# Altium PCB Booster_Main_Board.PcbDoc (part 3 of 13) (continued)
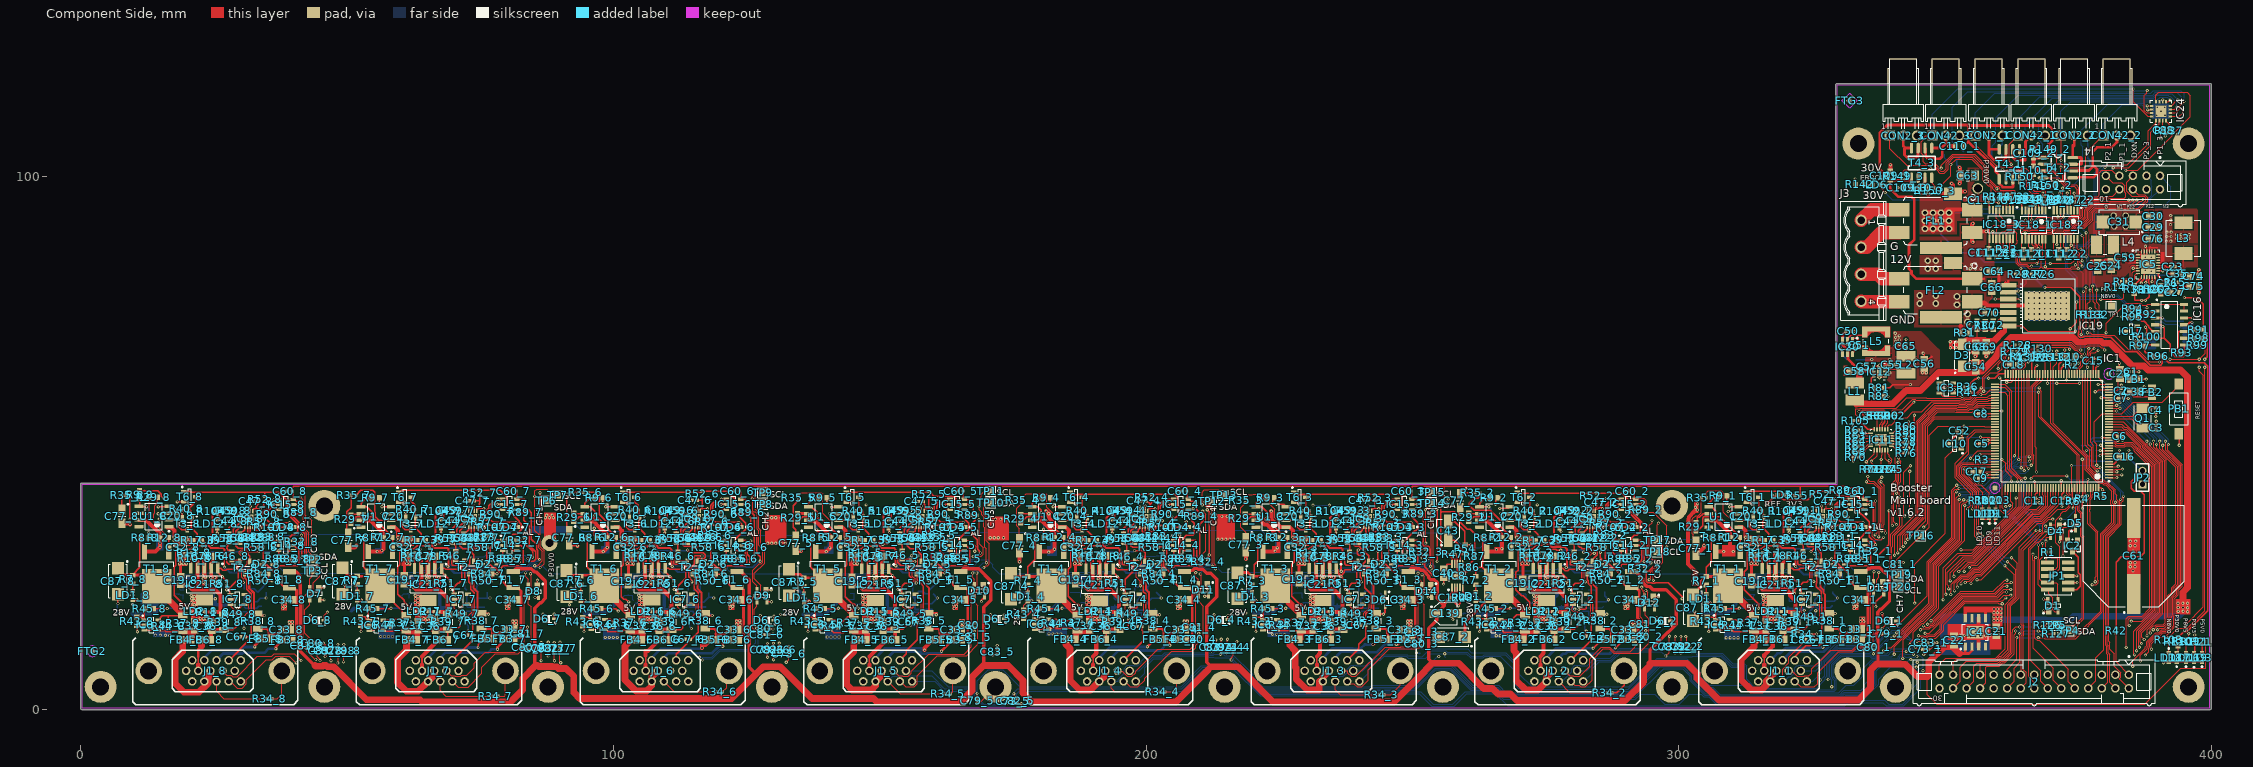
[diagram p0: Component Side view]
## Part data (continued)
C31: library part CTE7343-31_150UF_16V_10%_LESR0100, "Polarised capacitor", Case=D, Manufacturer=GENERIC, Manufacturer1 ComponentHeight=3.1mm, Manufacturer1 Example=AVX, Manufacturer1 Part Number=TPSD157K016R0100, Tolerance=±10%, Voltage=16V, Author="CERN DEM JLC", Component Type=Standard, CreateDate=05.05.2008, HelpURL=\\cern.ch\dfs\Applications\Altium\Datasheets\CTE-LESR_AVX_TPS.pdf, LatestRevisionDate=20.01.2009, Manufacturer Part Number=CTE7343-31_150UF_16V_10%_LESR0100, Mounted=Yes, Part Description="Low ESR 0R1 Solid Tantalum Chip Capacitor", Part Number=CTE7343-31_150UF_16V_10%_LESR0100, Pin Count=2, Sense=No, SMD=Yes, Socket=No, Status=Preferred
C32_1 C32_2 C32_3 C32_4 C32_5 C32_6 C32_7 C32_8: library part CC1206_4.7UF_50V_+80%-20%_Y5V, "Non-polarised capacitor", Case=1206, Manufacturer=GENERIC, Manufacturer1 ComponentHeight=1.8mm, Manufacturer1 Example=MURATA, Manufacturer1 Part Number=GRM31CF51H475ZA01L, Tolerance=+80%-20%, Voltage=50V, Author="CERN DEM JLC", Component Type=Standard, CreateDate=20.06.2012, HelpURL=\\cern.ch\dfs\Applications\Altium\Datasheets\CC1206_MURATA_GRM31CF51H475ZA01L.pdf, LatestRevisionDate=20.06.2012, Manufacturer Part Number=CC1206_4.7UF_50V_+80%-20%_Y5V, Mounted=Yes, Part Description="SMD Multilayer Chip Ceramic Capacitor", Part Number=CC1206_4.7UF_50V_+80%-20%_Y5V, Pin Count=2, Sense=No, SMD=Yes, Socket=No, Status=Preferred, TC=Y5V
C42_1 C42_2 C42_3 C42_4 C42_5 C42_6 C42_7 C42_8 C52: library part CC0402_1UF_16V_10%_X5R, "Non-polarised capacitor", Case=0402, Manufacturer=GENERIC, Manufacturer1 ComponentHeight=0.55mm, Manufacturer1 Example=TDK, Manufacturer1 Part Number=C1005X5R1C105KT, Tolerance=±10%, Voltage=16V, Author="CERN DEM JLC", Component Type=Standard, CreateDate=25.10.2012, HelpURL=\\cern.ch\dfs\Applications\Altium\Datasheets\CC0402_X5R_TDK_C.pdf, LatestRevisionDate=25.10.2012, Manufacturer Part Number=CC0402_1UF_16V_10%_X5R, Mounted=Yes, Part Description="SMD Multilayer Chip Ceramic Capacitor", Part Number=CC0402_1UF_16V_10%_X5R, Pin Count=2, Sense=No, SMD=Yes, Socket=No, Status=Preferred, TC=X5R
C43 C139: library part CAE430-540_10UF_16V_20%, "Polarised capacitor", Case=B, Manufacturer=PANASONIC, Manufacturer Part Number=EEEFK1C100AR, Tolerance=±20%, Voltage=16V, Author="CERN DEM JLC", ComponentHeight=5.8mm, Component Type=Standard, CreateDate=03.12.2007, HelpURL=\\cern.ch\dfs\Applications\Altium\Datasheets\CAE_PANASONIC_FK.pdf, LatestRevisionDate=05.11.2014, Mounted=Yes, Part Description="Aluminum Electrolytic SMT Capacitor", Part Number=CAE430-540_10UF_16V_20%, Pin Count=2, Sense=No, SMD=Yes, Socket=No, Status="Not Recommended"
C45_1 C45_2 C45_3 C45_4 C45_5 C45_6 C45_7 C45_8: library part CTE3528-21_47UF_6.3V_10%_LESR0250, "Polarised capacitor", Case=B, Manufacturer=GENERIC, Manufacturer1 ComponentHeight=2.1mm, Manufacturer1 Example=AVX, Manufacturer1 Part Number=TPSB476K006R0250, Tolerance=±10%, Voltage=6.3V, Author="CERN DEM JLC", Component Type=Standard, CreateDate=05.05.2008, HelpURL=\\cern.ch\dfs\Applications\Altium\Datasheets\CTE-LESR_AVX_TPS.pdf, LatestRevisionDate=20.01.2009, Manufacturer Part Number=CTE3528-21_47UF_6.3V_10%_LESR0250, Mounted=Yes, Part Description="Low ESR 0R25 Solid Tantalum Chip Capacitor", Part Number=CTE3528-21_47UF_6.3V_10%_LESR0250, Pin Count=2, Sense=No, SMD=Yes, Socket=No, Status=Preferred
C48_1 C48_2 C48_3 C48_4 C48_5 C48_6 C48_7 C48_8: library part CC0402_220PF_50V_5%_C0G, "Non-polarised capacitor", Case=0402, Manufacturer=GENERIC, Manufacturer1 ComponentHeight=0.55mm, Manufacturer1 Example=KEMET, Manufacturer1 Part Number=C0402C221J5GACTU, Tolerance=±5%, Voltage=50V, Author="CERN DEM JLC", Component Type=Standard, CreateDate=03.12.2007, HelpURL="\\cern.ch\dfs\Applications\Altium\Datasheets\CC0805_C0G_KEMET_(Commercial Grade).pdf", LatestRevisionDate=22.04.2015, Manufacturer Part Number=CC0402_220PF_50V_5%_C0G, Mounted=Yes, Part Description="SMD Multilayer Chip Ceramic Capacitor", Part Number=CC0402_220PF_50V_5%_C0G, Pin Count=2, Sense=No, SMD=Yes, Socket=No, Status=Preferred, TC=C0G/NP0
C51: library part CC0402_100NF_16V_10%_X5R, "Non-polarised capacitor", Case=0402, Manufacturer=GENERIC, Manufacturer1 ComponentHeight=0.55mm, Manufacturer1 Example=MURATA, Manufacturer1 Part Number=GRM155R61C104KA88D, Tolerance=±10%, Voltage=16V, Author="CERN DEM JLC", Component Type=Standard, CreateDate=10.12.2013, HelpURL=\\cern.ch\dfs\Applications\Altium\Datasheets\CC0402_X5R_MURATA_GRM.pdf, LatestRevisionDate=10.12.2013, Manufacturer Part Number=CC0402_100NF_16V_10%_X5R, Mounted=Yes, Part Description="SMD Multilayer Chip Ceramic Capacitor", Part Number=CC0402_100NF_16V_10%_X5R, Pin Count=2, Sense=No, SMD=Yes, Socket=No, Status=None, TC=X5R
C61: library part CAE1900-1680_4700UF_16V_20%, "Polarised capacitor", Case=K16, Manufacturer=PANASONIC, Manufacturer Part Number=EEVFK1C472M, Tolerance=±20%, Voltage=16V, Author="CERN DEM JLC", ComponentHeight=16.8mm, Component Type=Standard, CreateDate=05.11.2014, HelpURL=\\cern.ch\dfs\Applications\Altium\Datasheets\CAE_PANASONIC_FK.pdf, LatestRevisionDate=05.11.2014, Mounted=Yes, Part Description="Aluminum Electrolytic SMT Capacitor", Part Number=CAE1900-1680_4700UF_16V_20%, Pin Count=2, Sense=No, SMD=Yes, Socket=No, Status="Not Recommended"
C63: library part CC1206_10UF_50V_10%_X5R_TDK_CGA5L3X5R1H106K160AB, "Non-polarised capacitor", Case=1206, Manufacturer=TDK, Manufacturer Part Number=CGA5L3X5R1H106K160AB, Tolerance=±10%, Voltage=50V, Author="CERN DEM BC", ComponentHeight=1.9mm, Component Type=Standard, CreateDate=29.02.2016, HelpURL=\\cern.ch\dfs\Applications\Altium\Datasheets\CC1206_X5R_TDK_CGA.pdf, LatestRevisionDate=13.09.2016, Mounted=Yes, Part Description="SMD Multilayer Chip Ceramic Capacitor (Automotive Grade)", Part Number=CC1206_10UF_50V_10%_X5R_TDK_CGA5L3X5R1H106K160AB, Pin Count=2, Sense=No, SMD=Yes, Socket=No, Status="Not Recommended", TC=X5R
C67_1 C67_2 C67_3 C67_4 C67_5 C67_6 C67_7 C67_8 C80_1 C80_2 C80_3 C80_4 C80_5 C80_6 C80_7 C80_8 C81_1 C81_2 C81_3 C81_4 C81_5 C81_6 C81_7 C81_8 C82_1 C82_2 C82_3 C82_4 C82_5 C82_6 C82_7 C82_8 C83_1 C83_2 C83_3 C83_4 C83_5 C83_6 C83_7 C83_8: library part CC0402_NO-VALUE, "Non-polarised capacitor", Case=0402, Manufacturer1 ComponentHeight=0.55mm, Author="CERN DEM JLC", Component Type=Standard, CreateDate=14.01.2014, HelpURL=Undefined, LatestRevisionDate=14.01.2014, Manufacturer=Undefined, Manufacturer Part Number=CC0402_NO-VALUE, Mounted=No, Part Description="Reserved Footprint For 0402(1005) Chip Ceramic Capacitor", Part Number=CC0402_NO-VALUE, Pin Count=2, Sense=No, SMD=Yes, Socket=No, Status=None
C70 C71 C72 C86_1 C86_2 C86_3 C86_4 C86_5 C86_6 C86_7 C86_8: library part CC0603_10NF_50V_5%_C0G, "Non-polarised capacitor", Case=0603, Manufacturer=GENERIC, Manufacturer1 ComponentHeight=0.9mm, Manufacturer1 Example=TDK, Manufacturer1 Part Number=C1608C0G1H103J080AA, Tolerance=±5%, Voltage=50V, Author="CERN DEM JLC", Component Type=Standard, CreateDate=10.12.2014, HelpURL=\\cern.ch\dfs\Applications\Altium\Datasheets\CC0603_C0G_TDK_C.pdf, LatestRevisionDate=10.12.2014, Manufacturer Part Number=CC0603_10NF_50V_5%_C0G, Mounted=Yes, Part Description="SMD Multilayer Chip Ceramic Capacitor", Part Number=CC0603_10NF_50V_5%_C0G, Pin Count=2, Sense=No, SMD=Yes, Socket=No, Status=Preferred, TC=C0G/NP0
C77_1 C77_2 C77_3 C77_4 C77_5 C77_6 C77_7 C77_8: library part CTE3216-18_1UF_16V_10%, "Polarised capacitor", Case=A, Manufacturer=GENERIC, Manufacturer1 ComponentHeight=1.8mm, Manufacturer1 Example=AVX, Manufacturer1 Part Number=TAJA105K016RNJ, Tolerance=±10%, Voltage=16V, Author="CERN DEM JLC", Component Type=Standard, CreateDate=03.09.2012, HelpURL=\\cern.ch\dfs\Applications\Altium\Datasheets\CTE_AVX_TAJ.pdf, LatestRevisionDate=03.09.2012, Manufacturer Part Number=CTE3216-18_1UF_16V_10%, Mounted=Yes, Part Description="Solid Tantalum Chip Capacitor", Part Number=CTE3216-18_1UF_16V_10%, Pin Count=2, Sense=No, SMD=Yes, Socket=No, Status=Preferred
C87_1 C87_2 C87_3 C87_4 C87_5 C87_6 C87_7 C87_8: library part CTE6032-28_10UF_35V_10%, "Polarised capacitor", Case=C, Manufacturer=GENERIC, Manufacturer1 ComponentHeight=2.8mm, Manufacturer1 Example=AVX, Manufacturer1 Part Number=TAJC106K035R, Tolerance=±10%, Voltage=35V, Author="CERN DEM JLC", Component Type=Standard, CreateDate=03.12.2007, HelpURL=\\cern.ch\dfs\Applications\Altium\Datasheets\CTE_AVX_TAJ.pdf, LatestRevisionDate=03.12.2007, Manufacturer Part Number=CTE6032-28_10UF_35V_10%, Mounted=Yes, Part Description="Solid Tantalum Chip Capacitor", Part Number=CTE6032-28_10UF_35V_10%, Pin Count=2, Sense=No, SMD=Yes, Socket=No, Status=Preferred
C90_1 C90_2 C90_3 C90_4 C90_5 C90_6 C90_7 C90_8: library part CC0402_100PF_50V_5%_C0G, "Non-polarised capacitor", Case=0402, Manufacturer=GENERIC, Manufacturer1 ComponentHeight=0.55mm, Manufacturer1 Example=KEMET, Manufacturer1 Part Number=C0402C101J5GACTU, Tolerance=±5%, Voltage=50V, Author="CERN DEM JLC", Component Type=Standard, CreateDate=03.12.2007, HelpURL="\\cern.ch\dfs\Applications\Altium\Datasheets\CC0805_C0G_KEMET_(Commercial Grade).pdf", LatestRevisionDate=22.04.2015, Manufacturer Part Number=CC0402_100PF_50V_5%_C0G, Mounted=Yes, Part Description="SMD Multilayer Chip Ceramic Capacitor", Part Number=CC0402_100PF_50V_5%_C0G, Pin Count=2, Sense=No, SMD=Yes, Socket=No, Status=Preferred, TC=C0G/NP0
C109_1 C109_2 C109_3 C110_1 C110_2 C110_3: library part CC0603_1UF_16V_10%_X7R, "Non-polarised capacitor", Case=0603, Manufacturer=GENERIC, Manufacturer1 ComponentHeight=0.87mm, Manufacturer1 Example=PHYCOMP, Manufacturer1 Part Number=223824613663, Manufacturer Part Number=CC0603_1uF_16V_10%_X7R, Tolerance=±10%, Voltage=16V, Author="CERN DEM JLC", Component Type=Standard, CreateDate=12/3/2007, HelpURL=\\cern.ch\dfs\Applications\Altium\Datasheets\CC0805_X5R_PHYCOMP_HC.pdf, LatestRevisionDate=12/3/2007, Mounted=Yes, Part Description="SMD Multilayer Chip Ceramic Capacitor", Part Number=CC0603_1UF_16V_10%_X7R, Pin Count=2, SMD=Yes, Socket=No, Status=Preferred, Table="Capacitors SMD", TC=X7R
CON2_1 CON2_2 CON2_3 CON42_1 CON42_2 CON42_3: library part MOLEX_22-05-7038, "Connector 3 Male", Manufacturer=MOLEX, Manufacturer Part Number=22-05-7038, Author="CERN DEM JLC", ComponentHeight=5.8mm, Component Type=Standard, CreateDate=19/09/2012, Family=KK®, HelpURL=\\cern.ch\dfs\Applications\Altium\Datasheets\MOLEX_22-05-7038.pdf, LatestRevisionDate=19/09/2012, Mounted=Yes, Part Description="2.54mm (.100\") Pitch KK® Wire-To-Board Header, Right Angle, With Friction Lock, 3 Circuits", Part Number=MOLEX_22-05-7038, Pin Count=3, PressFit=No, Sense=No, SMD=No, Socket=No, Status=None
D1 D4 D7 D8 D9 D10 D11 D12 D13 D14: "Ultra Low Capacitance Double Rail-to-Rail ESD Protection Diode", Case=SOT143B, Manufacturer="NXP SEMICONDUCTORS", Voltage=5.5V, Author="CERN DEM JLC", Bonding=No, ComponentHeight=1.1mm, Component Type=Standard, CreateDate=22.03.2011, Device=PRTR5V0U2X, HelpURL=\\cern.ch\dfs\Applications\Altium\Datasheets\PRTR5V0U2X.pdf, LatestRevisionDate=22.03.2011, Manufacturer Part Number=PRTR5V0U2X, Mounted=Yes, PackageDescription="SOT143B, SOT, 1.90mm Pitch; 4 Pin, 1.30mm W X 2.90mm L X 1.10mm H body, IPC Medium Density", Part Description="Ultra Low Capacitance (1pF) Double Rail-to-Rail ESD Protection Diode (8kV)", Part Number=PRTR5V0U2X, Pin Count=4, PressFit=No, Sense=No, SMD=Yes, Socket=No
D2_1 D2_2 D2_3 D2_4 D2_5 D2_6 D2_7 D2_8 D5 D6_1 D6_2 D6_3 D6_4 D6_5 D6_6 D6_7 D6_8 D15: "Schottky Diode", Case=SOD323, Manufacturer=INFINEON, Power=750mA, Voltage=40V, Author="CERN DEM JLC", Bonding=No, ComponentHeight=1.1mm, Component Type=Standard, CreateDate=12.11.2014, Device=BAT165, HelpURL=\\cern.ch\dfs\Applications\Altium\Datasheets\BAT165.pdf, LatestRevisionDate=12.11.2014, Manufacturer Part Number=BAT165, Mounted=Yes, PackageDescription="Small Outline Diode Flat Lead (SOD-323), 1.70mm W X 1.25mm L X 1.10mm H body,  IPC Medium Density", Part Description="Medium Power AF Schottky Diode", Part Number=BAT165, Pin Count=2, PressFit=No, Sense=No, SMD=Yes, Socket=No
D3: "Schottky Diode", Case=DO-214AC, Manufacturer="VISHAY GENERAL SEMICONDUCTOR", Power=1A, Voltage=60V, Author="CERN DEM JLC", Bonding=No, ComponentHeight=2.29mm, Component Type=Standard, CreateDate=15.07.2008, Device=SS16, HelpURL=\\cern.ch\dfs\Applications\Altium\Datasheets\SS16.pdf, LatestRevisionDate=23.08.2010, Manufacturer Part Number=SS16, Mounted=Yes, PackageDescription="DO-214-AC Molded Diode, Body 5.1x2.7mm, IPC Medium Density", Part Description="Surface Mount Schottky Barrier Rectifier", Part Number=SS16, Pin Count=2, PressFit=No, Sense=No, SMD=Yes, Socket=No
F1_1 F1_2 F1_3 F1_4 F1_5 F1_6 F1_7 F1_8: library part FUSR1210_TYCO_MICROSMD035F-2, "Fuse", Manufacturer="TYCO ELECTRONICS", Manufacturer Part Number=microSMD035F-2, Author="CERN DEM JLC", ComponentHeight=0.62mm, Component Type=Standard, CreateDate=11.06.2012, Family="Fuses Resettable", HelpURL=\\cern.ch\dfs\Applications\Altium\Datasheets\FUSR_TYCO_microSMD035F-2.pdf, LatestRevisionDate=11.06.2012, Mounted=Yes, PackageDescription="PolySwitch, PTC Devices, 2-Leads, Body 3.215 x 2.575mm Nominal", Part Description="PolySwitch®, PTC Resettable Fuse", Part Number=FUSR1210_TYCO_MICROSMD035F-2, Pin Count=2, PressFit=No, Sense=No, SMD=Yes, Socket=No
FB1 FB2 FB3_1 FB3_2 FB3_3 FB3_4 FB3_5 FB3_6 FB3_7 FB3_8 FB4_1 FB4_2 FB4_3 FB4_4 FB4_5 FB4_6 FB4_7 FB4_8 FB5_1 FB5_2 FB5_3 FB5_4 FB5_5 FB5_6 FB5_7 FB5_8 FB6_1 FB6_2 FB6_3 FB6_4 FB6_5 FB6_6 FB6_7 FB6_8: library part IND0805_MURATA_BLM21PG221SN1D, "Inductor", Case=0805, Manufacturer=MURATA, Manufacturer Part Number=BLM21PG221SN1D, Power=2A, Resistance=0.05R, Tolerance=±25%, Author="CERN DEM JLC", ComponentHeight=1.05mm, Component Type=Standard, CreateDate=2010-01-25, HelpURL=\\cern.ch\dfs\Applications\Altium\Datasheets\IND0402_MURATA_BLM21P.pdf, LatestRevisionDate=2010-01-25, Mounted=Yes, Part Description="SMD EMIFIL Suppression Chip Ferrite Bead", Part Number=IND0805_MURATA_BLM21PG221SN1D, Pin Count=2, SMD=Yes, Socket=No, Status=None, Table="Inductors SMD"
FL1 FL2: library part FIL_MURATA_BNX022-01L, "Block Type EMIFIL (LC Combined)", Manufacturer=MURATA, Manufacturer Part Number=BNX022-01L, Resistance=0.5R, Author="CERN DEM JLC", ComponentHeight=3.3mm, Component Type=Standard, CreateDate=10.10.2012, HelpURL=\\cern.ch\dfs\Applications\Altium\Datasheets\FIL_MURATA_BNX022-01L.pdf, LatestRevisionDate=10.10.2012, Mounted=Yes, Part Description="Block Type EMIFIL (LC Combined) SMD Type, BNX02* Series", Part Number=FIL_MURATA_BNX022-01L, Pin Count=2, Sense=No, SMD=Yes, Socket=No, Status=None
FTG1 FTG2: library part FIDUCIAL_TARGET_C100-200, "Fiducial Target", Author="CERN DEM JLC", Component Type="Standard (No BOM)", ComponentHeight=0mm, CreateDate=09.02.2010, Family=Fiducial, HelpURL=Undefined, LatestRevisionDate=04.04.2012, Mounted=No, PackageDescription="Round Fiducial Target, Top Layer, 1.0mm, Top Solder 2.0mm, Keepout =2.0mm", Part Description="Round Fiducial Target, Top Layer, 1.0mm, Top Solder 2.0mm, Keepout =2.0mm", Part Number=FIDUCIAL_TARGET_C100-200, Pin Count=1, Sense=No, SMD=Yes, Socket=No, Status=None
FTG3 FTG4: library part FIDUCIAL_TARGET_S100-200, "Fiducial Target", Author="CERN DEM JLC", Component Type="Standard (No BOM)", ComponentHeight=0mm, CreateDate=09.02.2010, Family=Fiducial, HelpURL=Undefined, LatestRevisionDate=04.04.2012, Mounted=No, PackageDescription="Square Fiducial Target, Top Layer, 1.0mm, Top Solder 2.0mm, Keepout =2.0mm", Part Description="Square Fiducial Target, Top Layer, 1.0mm, Top Solder 2.0mm, Keepout =2.0mm", Part Number=FIDUCIAL_TARGET_S100-200, Pin Count=1, Sense=No, SMD=Yes, Socket=No, Status=None
IC1: "ARM Cortex-M4 32-bit MCU+FPU, 210 DMIPS, 1024 kB Flash, 192 kB Internal RAM, 114 I/Os, 144-pin LQFP, -40 to 85 degC, Tray", Case=QFP144, Manufacturer="ST MICROELECTRONICS", Author="CERN DEM MR", Bonding=No, ComponentHeight=1.6mm, Component Type=Standard, CreateDate=14.07.2016, Device=STM32F407ZGT6, HelpURL=\\cern.ch\dfs\Applications\Altium\Datasheets\STM32F407ZGT6.pdf, LatestRevisionDate=14.07.2016, Manufacturer Part Number=STM32F407ZGT6, Mounted=Yes, PackageDescription="QFP, 0.50mm Pitch, Square; 144 Pin, 20.00mm L X 20.00mm W X 1.60mm H Body, IPC Medium Density", Part Description="ARM Cortex-M4 32b MCU+FPU, 210DMIP, 1024 kB Flash, 192+4 kB RAM, Camera, 114 I/Os, 144-pin LQFP, Industrial Grade", Part Number=STM32F407ZGT6, Pin Count=144, PressFit=No, Sense=No, SMD=Yes, Socket=No
IC2: library part VMON_STM809, "2.93V  Reset circuit", Manufacturer Part Number=STM809SWX6F
IC3: "1.7V-5.5V, 2K I2C Serial EEPROM With EUI-48 Node Identity", Case=SOT23-5, Manufacturer="MICROCHIP TECHNOLOGY", Author="CERN DEM MR", Bonding=No, ComponentHeight=1.45mm, Component Type=Standard, CreateDate=2016-03-31, Device=24AA02E48T-I/OT, HelpURL=\\cern.ch\dfs\Applications\Altium\Datasheets\24AA02E48T-I-OT.pdf, LatestRevisionDate=2016-03-31, Manufacturer Part Number=24AA02E48T-I/OT, Mounted=Yes, PackageDescription="SOT, 0.95mm pitch; 5 pin, 1.60mm W X 2.90mm L X 1.45mm H body, IPC Medium Density", Part Description="1.7V-5.5V, 2K I2C Serial EEPROM With EUI-48 Node Identity", Part Number=24AA02E48T-I/OT, Pin Count=5, PressFit=No, Sense=No, SMD=Yes, Socket=No
IC4: "300 mA, Low Noise, CMOS LDO Linear Regulator", Case=SOIC8, Manufacturer="ANALOG DEVICES", Author="CERN DEM JLC", Bonding=No, ComponentHeight=1.75mm, Component Type=Standard, CreateDate=17.03.2014, Device=ADP7102ARDZ-5.0-R7, HelpURL=\\cern.ch\dfs\Applications\Altium\Datasheets\ADP7102ARDZ-5.0-R7.pdf, LatestRevisionDate=17.03.2014, Manufacturer Part Number=ADP7102ARDZ-5.0-R7, Mounted=Yes, PackageDescription="SOIC 8, Pitch 1.27mm - Body 3.9x4.9mm, (w/thermal tab 2.41mm X 3.098mm), IPC Medium Density", Part Description="5V, 300mA, Low Noise, CMOS LDO Linear Regulator", Part Number=ADP7102ARDZ-5.0-R7, Pin Count=8, PressFit=No, Sense=No, SMD=Yes, Socket=No
IC5: "LTC7149 - 60V, 4A Synchronous Step-Down Regulator for Inverting Outputs", Manufacturer="Linear technology", Manufacturer Part Number=LTC7149EUFD#PBF
IC6_1 IC6_2 IC6_3 IC6_4 IC6_5 IC6_6 IC6_7 IC6_8 IC7_1 IC7_2 IC7_3 IC7_4 IC7_5 IC7_6 IC7_7 IC7_8: library part AMP_LT6106, "Current Shunt Monitor -16V to +80V Common-Mode Range", Case=SOT23-5, Manufacturer="ANALOG DEVICES", Author=GK, Bonding=No, ComponentHeight=1.45mm, Component Type=Standard, CreateDate=10.05.2010, Device=LT6106CS5#TRMPBF, HelpURL=\\cern.ch\dfs\Applications\Altium\Datasheets\INA194AIDBVT.pdf, LatestRevisionDate=10.05.2010, Manufacturer Part Number=LT6106CS5#TRMPBF, Mounted=Yes, PackageDescription="SOT, 0.95mm pitch; 5 pin, 1.60mm W X 2.90mm L X 1.45mm H body, IPC Medium Density", Part Description="36V Low Cost High Side Current Sense in a SOT-23", Part Number=LT6106CS5#TRMPBF, Pin Count=5, PressFit=No, Sense=No, SMD=Yes, Socket=No
IC8: "20V, 200mA, Ultralow Noise, Ultrahigh PSRR RF Linear Regulator", Case=MSOP10, Manufacturer="LINEAR TECHNOLOGY", Author="CERN DEM MR", Bonding=No, ComponentHeight=1.1mm, Component Type=Standard, CreateDate=09.06.2016, Device=LT3042EMSE#PBF, HelpURL=\\cern.ch\dfs\Applications\Altium\Datasheets\LT3042EMSE#PBF.pdf, LatestRevisionDate=09.06.2016, Manufacturer Part Number=LT3042EMSE#PBF, Mounted=Yes, PackageDescription="SOP, 0.50mm, Pitch; 10 pin, 3.00mm W X 3.00mm L X 1.10mm H body (w/thermal tab  1.68 X 1.98 mm), IPC Medium Density", Part Description="20V, 200mA, Ultralow Noise, Ultrahigh PSRR RF Linear Regulator", Part Number=LT3042EMSE#PBF, Pin Count=11, PressFit=No, Sense=No, SMD=Yes, Socket=No
IC9_1 IC9_2 IC9_3 IC9_4 IC9_5 IC9_6 IC9_7 IC9_8: library part CMP-0003-02162-1, "12-Bit, 4-Channel Mux Input SAR ADC with Intelligent System Power Control, -40 to 85 degC, 16-pin QFN (RTE16), Green (RoHS & no Sb/Br)", Analog Voltage AV/DD(Max)(V)=5.5, Analog Voltage AV/DD(Min)(V)=2.2, Manufacturer="Texas Instruments", # Input Channels=4, Architecture=SAR, Code_JEDEC=MO-220, ComponentLink1Description="Manufacturer URL", ComponentLink1URL=http://www.ti.com/, ComponentLink2Description=Datasheet, ComponentLink2URL=http://www.ti.com/general/docs/lit/getliterature.tsp?genericPartNumber=ADS7924&fileType=pdf, ComponentLink3Description="Package Specification", ComponentLink3URL=http://www.ti.com/litv/pdf/mpqf149c, DatasheetVersion=SBAS482A, Digital Supply(Max)(V)=5.5, Digital Supply(Min)(V)=1.65, Eco-Plan="Green (RoHS & no Sb/Br)", INL(Max)(+/-LSB)=1.5, Interface="Serial I2C", Manufacturer Part Number=ADS7924IRTET, Mounting Technology="Surface Mount", PackageDescription="16-Pin Plastic Flat Pack, Body 3 x 3 mm, Pitch 0.5 mm", PackageReference=RTE16-1700X1700TP, PackageVersion="4205254/D, 01/2011", PartNumber=ADS7924IRTET, Resolution(Bits)=12, Sample Rate (max)(SPS)=100k, SubFamily="Precision ADC (<=10MSPS)"
IC10: library part REF_MCP1525, "2.5 voltage reference", Manufacturer Part Number=MCP1525T-I/TT
IC11: "Low Voltage 8-Channel I2C Switch With Reset", Case=QFN24, Manufacturer="TEXAS INSTRUMENTS", Author="CERN DEM JLC", Bonding=No, ComponentHeight=1mm, Component Type=Standard, CreateDate=07.07.2014, Device=TCA9548ARGER, HelpURL=\\cern.ch\dfs\Applications\Altium\Datasheets\TCA9548ARGER.pdf, LatestRevisionDate=07.07.2014, Manufacturer Part Number=TCA9548ARGER, Mounted=Yes, PackageDescription="QFN, 0.50mm Pitch, Square; 24 Pin, 4.00mm L X 4.00mm W X 1.00mm H body (w/thermal tab 2.2 X 2.2mm), IPC Medium Density", Part Description="Low Voltage 8-Channel I2C Switch With Reset", Part Number=TCA9548ARGER, Pin Count=25, PressFit=No, Sense=No, SMD=Yes, Socket=No
IC12: "4.75-28VDC to 1-6VDC, 500mA Step-Down Converter With Sleep Mode", Case=SON10, Manufacturer="TEXAS INSTRUMENTS", Author="CERN DEM JMW", Bonding=No, ComponentHeight=0.8mm, Component Type=Standard, CreateDate=11.08.2015, Device=TPS62175DQC, HelpURL=\\cern.ch\dfs\Applications\Altium\Datasheets\TPS62175DQC.pdf, LatestRevisionDate=11.08.2015, Manufacturer Part Number=TPS62175DQC, Mounted=Yes, PackageDescription="SON, 10-Leads, Body 2x3mm, Pitch 0.5mm, Thermal Pad 0.94x2.5mm, IPC Medium Density", Part Description="4.75-28VDC to 1-6VDC, 500mA Step-Down Converter With Sleep Mode", Part Number=TPS62175DQC, Pin Count=11, PressFit=No, Sense=No, SMD=Yes, Socket=No
IC13_1 IC13_2 IC13_3 IC13_4 IC13_5 IC13_6 IC13_7 IC13_8: library part REG_LP3872EMP-5.0/NOPB, "1.5-A, low-dropout voltage regulator with  enable", Case=SOT223, Manufacturer="TEXAS INSTRUMENTS", Author=GK, Bonding=No, Component Type=Standard, ComponentHeight=1.8mm, CreateDate=01.06.2010, Device=LP3872EMP-5.0/NOPB, HelpURL=\\cern.ch\dfs\Applications\Altium\Datasheets\LP3961EMP.pdf, LatestRevisionDate=29.01.2021, Manufacturer Part Number=LP3872EMP-5.0/NOPB, Mounted=Yes, PackageDescription="SOT223, 1.50mm Pitch; 5 Pin, 3.56mm W X 6.50mm L X 1.80mm H body, IPC Medium Density", Part Description="5V, 1.5A Fast Low Dropout Linear Regulators", Part Number=LP3872EMP-5.0/NOPB, Pin Count=5, PressFit=No, Sense=No, SMD=Yes, Socket=No
IC14_1 IC14_2 IC14_3 IC14_4 IC14_5 IC14_6 IC14_7 IC14_8: "Simple Power Sequencer", Case=SOT23-6, Manufacturer="TEXAS INSTRUMENTS", Author="CERN DEM MR", Bonding=No, ComponentHeight=1.45mm, Component Type=Standard, CreateDate=17.03.2016, Device=LM3880-1AC/NOPB, HelpURL=\\cern.ch\dfs\Applications\Altium\Datasheets\LM3880-1AC-NOPB.pdf, LatestRevisionDate=17.03.2016, Manufacturer Part Number=LM3880-1AC/NOPB, Mounted=Yes, PackageDescription="SOT23, 6-Leads, Body 1.6x3.0mm, Pitch 0.95mm, IPC Medium Density", Part Description="Simple Power Sequencer, Power UP : 1 2 3, Power Down 3 2 1, Timing Designator 60ms", Part Number=LM3880-1AC/NOPB, Pin Count=6, PressFit=No, Sense=No, SMD=Yes, Socket=No
IC15_1 IC15_2 IC15_3 IC15_4 IC15_5 IC15_6 IC15_7 IC15_8: "+2.7 V to +5.5 V, I2C Interface (Receive Only), Voltage Output, 12-Bit Digital-To-Analog Converter", Case=SOT23-6, Manufacturer="TEXAS INSTRUMENTS", Author="CERN DEM MR", Bonding=No, ComponentHeight=1.45mm, Component Type=Standard, CreateDate=07.07.2016, Device=DAC7571DBV, HelpURL=\\cern.ch\dfs\Applications\Altium\Datasheets\DAC7571DBV.pdf, LatestRevisionDate=07.07.2016, Manufacturer Part Number=DAC7571DBV, Mounted=Yes, PackageDescription="SOT23, 6-Leads, Body 1.6x3.0mm, Pitch 0.95mm, IPC Medium Density", Part Description="+2.7 V to +5.5 V, I2C Interface (Receive Only), Voltage Output, 12-Bit Digital-To-Analog Converter", Part Number=DAC7571DBV, Pin Count=6, PressFit=No, Sense=No, SMD=Yes, Socket=No
IC16 IC25: "Quad Operational Amplifier", Case=SOIC14, Manufacturer="TEXAS INSTRUMENTS", Author="CERN DEM MR", Bonding=No, ComponentHeight=1.75mm, Component Type=Standard, CreateDate=23.03.2016, Device=LP339M/NOPB, HelpURL=\\cern.ch\dfs\Applications\Altium\Datasheets\LP339M-NOPB.pdf, LatestRevisionDate=23.03.2016, Manufacturer Part Number=LP339M/NOPB, Mounted=Yes, PackageDescription="SOIC 14, Pitch 1.27mm - Body 4x8.75mm, IPC Medium Density", Part Description="Ultra-Low Power Quad Comparator", Part Number=LP339M/NOPB, Pin Count=14, PressFit=No, Sense=No, SMD=Yes, Socket=No
IC17: "Precision Reference 1=Adj 2=Cathode 3=Anode", Case=SOT23, Manufacturer="ST MICROELECTRONICS", Author="CERN DEM JLC", Bonding=No, ComponentHeight=1.12mm, Component Type=Standard, CreateDate=17.11.2016, Device=TS3431ILT, HelpURL=\\cern.ch\dfs\Applications\Altium\Datasheets\TS3431ILT.pdf, LatestRevisionDate=17.11.2016, Manufacturer Part Number=TS3431ILT, Mounted=Yes, PackageDescription="SOT, 0.95mm, pitch; 3 pin,1.30mm W X 2.92mm L X 1.12mm H body, IPC Medium Density", Part Description="1.24 V Programmable Shunt Voltage Reference", Part Number=TS3431ILT, Pin Count=3, PressFit=No, Sense=No, SMD=Yes, Socket=No
IC18_1 IC18_2 IC18_3: "2-Channel Temperature Monitor with Dual, Automatic, PWM Fan-Speed Controller", Case=SSOP16, Manufacturer=MAXIM, Author="CERN DEM JLC", ComponentHeight=1.75mm, Component Type=Standard, CreateDate=2012-08-15, Device=MAX6639AEE+, HelpURL=\\cern.ch\dfs\Applications\Altium\Datasheets\MAX6639AEE+.pdf, LatestRevisionDate=2012-08-15, Manufacturer Part Number=MAX6639AEE+, Mounted=Yes, PackageDescription="SOP, 0.635mm pitch; 16 pin, 3.9mm W X 4.895mm L X 1.75mm H Body, IPC Medium Density", Part Description="2-Channel Temperature Monitor with Dual, Automatic, PWM Fan-Speed Controller", Part Number=MAX6639AEE+, Pin Count=16, SMD=Yes, Socket=No, Table="Analog & Interface"
IC19: library part PM_LMZ14203, "3A SIMPLE SWITCHER® Power Module with 42V Maximum Input Voltage", Case=TO-PMOD-7, Manufacturer="TEXAS INSTRUMENTS", Author=GK, Bonding=No, ComponentHeight=4.67mm, Component Type=Standard, CreateDate=17.11.2016, Device=LMZ14203HTZX/NOPB, HelpURL=\\cern.ch\dfs\Applications\Altium\Datasheets\LMZ14201EXTTZE-NOPB.pdf, LatestRevisionDate=17.11.2016, Manufacturer Part Number=LMZ14203HTZX/NOPB, Mounted=Yes, PackageDescription="TO-PMOD 7 Pin Package, NATIONAL Package TZA07A, 1.70mm pitch; 9.85mm L X 10.16mm W X 4.67mm H body", Part Description="3A SIMPLE SWITCHER® Power Module with 42V Maximum Input Voltage", Part Number=LMZ14203HTZX/NOPB, Pin Count=8, PressFit=No, Sense=No, SMD=Yes, Socket=No
IC20: "4.2V TO 18V INPUT, 2A LOW IQ SYNCHRONOUS BUCK CONVERTER", Case=SOT23-6, Manufacturer="DIODES INCORPORATED", Author="CERN DEM HF", Bonding=No, Component Type=Standard, ComponentHeight=1.1mm, CreateDate=07.01.2022, Device=AP62201WU-7, HelpURL=\\cern.ch\dfs\Applications\Altium\Datasheets\AP6220x.pdf, LatestRevisionDate=07.01.2022, Manufacturer Part Number=AP62201WU-7, Mounted=Yes, PackageDescription="SOT23, 0.95mm Pitch; 6 Pin, 1.625mm W X 2.90mm L X 1.00mm H body, IPC Medium Density", Part Description="4.2V TO 18V INPUT, 2A LOW IQ SYNCHRONOUS BUCK CONVERTER", Part Number=AP62201WU-7, Pin Count=6, PressFit=No, Sense=No, SMD=Yes, Socket=No
IC21_1 IC21_2 IC21_3 IC21_4 IC21_5 IC21_6 IC21_7 IC21_8: "1.2V to 20V, 1.5A, Fast Transient Response, Low Noise, LDO Adjustable Regulator", Case=SOT223, Manufacturer="TEXAS INSTRUMENTS", Author="CERN DEM JLC", Bonding=No, ComponentHeight=1.8mm, Component Type=Standard, CreateDate=08.07.2014, Device=TL1963ADCQR, HelpURL=\\cern.ch\dfs\Applications\Altium\Datasheets\TL1963ADCQR.pdf, LatestRevisionDate=08.07.2014, Manufacturer Part Number=TL1963ADCQR, Mounted=Yes, PackageDescription="SOT223, 6-Leads, Body 6.6x7.3mm (max), Pitch 1.27mm, IPC Medium Density", Part Description="1.2V to 20V, 1.5A, Fast Transient Response, Low Noise, LDO Adjustable Regulator", Part Number=TL1963ADCQR, Pin Count=6, PressFit=No, Sense=No, SMD=Yes, Socket=No
IC22_1 IC22_2 IC22_3 IC22_4 IC22_5 IC22_6 IC22_7 IC22_8: library part AD8603AUJZ-REEL, "Precision Micropower, Low Noise CMOS, Rail-to-Rail Input/Output Operational Amplifier", Case=SOT23-5, Manufacturer="ANALOG DEVICES / Texas", Manufacturer Part Number="AD8603AUJZ-REEL  or TLV333IDBVT", Author=GK, Bonding=No, Component Type=Standard, ComponentHeight=1mm, CreateDate=02/09/2010, Device="AD8603AUJZ-REEL or TLV333IDBVT", HelpURL=\\cern.ch\dfs\Applications\Altium\Datasheets\AD8603AUJZ-REEL.pdf, LatestRevisionDate=02/09/2010, Mounted=Yes, PackageDescription="SOT23, 0.95mm Pitch; 5 Pin, 1.625mm W X 2.9mm L, IPC Medium", Part Description="Precision Micropower, Low Noise CMOS, Rail-to-Rail Input/Output Operational Amplifier", Part Number="AD8603AUJZ-REEL or TLV333IDBVT", Pin Count=5, PressFit=No, Sense=No, SMD=Yes, Socket=No
IC23_1 IC23_2 IC23_3 IC23_4 IC23_5 IC23_6 IC23_7 IC23_8: library part REG_7905_SOT89, "3-Terminal Regulator 1=GND 2=IN 3=OUT 4=IN", Case=SOT89, Manufacturer="ST MICROELECTRONICS", Author="CERN DEM JLC", Bonding=No, ComponentHeight=1.6mm, Component Type=Standard, CreateDate=29/03/2012, Device=L79L05ACUTR, HelpURL=\\cern.ch\dfs\Applications\Altium\Datasheets\L79L05ACUTR.pdf, LatestRevisionDate=29/03/2012, Manufacturer Part Number=L79L05ACUTR, Mounted=Yes, PackageDescription="SOT89-3, 3-Leads, Body 2.44x4.5mm", Part Description="5V 100mA Negative Voltage Regulator", Part Number=L79L05ACUTR, Pin Count=4, PressFit=No, Sense=No, SMD=Yes, Socket=No
IC24: library part CMP-06317-000016-1, "IC MOTOR DRIVER 3V-3.6V 16QFN", Case/Package=QFN, Max Operating Temperature=125°C, Max Supply Voltage=3.6V, Min Operating Temperature=-40°C, Min Supply Voltage=3V, Operating Supply Current=625uA, Operating Supply Voltage=3.3V, Package Quantity=1, Accuracy=2%, Interface=I2C, Lead Free="Lead Free", Max Supply Voltage (DC)=3.6V, Min Supply Voltage (DC)=3V, Mount="Surface Mount", Number of Outputs=5, Number of Pins=16, Output Type=Analog, Packaging="Tape and Reel", Radiation Hardening=No, REACH SVHC="No SVHC"
J1_1 J1_2 J1_3 J1_4 J1_5 J1_6 J1_7 J1_8: library part 9561515512, "Connector High Density D-sub 15 Female", Manufacturer=HARTING, Author=GK, Component Type=Standard, ComponentHeight=12.88mm, CreateDate=17.03.2015, Family=HD-Sub, HelpURL=\\cern.ch\dfs\Applications\Altium\Datasheets\TYCO_5749768-1.pdf, LatestRevisionDate=17.03.2015, Manufacturer Part Number=9561515512, Mounted=Yes, Part Description="15 Female Contacts, Staight High Density D-SUB Connector With Boardlock and Threaded Insert (4-40 UNC), AMPLIMITE HD-22 Series", Part Number=9561515512, Pin Count=17, PressFit=No, Sense=No, SMD=No, Socket=No, Status=None
J2: library part 3M_N2530-6002RB, "Connector 30 Male", Manufacturer=3M, Manufacturer Part Number=N2530-6002RB, Author="CERN DEM JLC", ComponentHeight=10.03mm, Component Type=Standard, CreateDate=11.02.2009, Family="Header 30", HelpURL=\\cern.ch\dfs\Applications\Altium\Datasheets\3M_N2530-6002RB.pdf, LatestRevisionDate=11.08.2009, Mounted=Yes, Part Description="30 Contacts - Straight .100'' x .100'' Low Profile Four-Wall Header, 2500 Series", Part Number=3M_N2530-6002RB, Pin Count=30, PressFit=No, Sense=No, SMD=No, Socket=No, Status=None
J3: library part PHOENIX_1755752, "Connector 4 Male", Manufacturer="PHOENIX CONTACT", Manufacturer Part Number="1755752 (MSTBVA 2,5/ 4-G-5,08)", Author="CERN DEM JLC", ComponentHeight=12mm, Component Type=Standard, CreateDate=27.11.2012, HelpURL=\\cern.ch\dfs\Applications\Altium\Datasheets\PHOENIX_1755752.pdf, LatestRevisionDate=27.11.2012, Mounted=Yes, Part Description="12A, 250V, Pitch 5.08mm, 4 Positions Header", Part Number=PHOENIX_1755752, Pin Count=4, PressFit=No, Sense=No, SMD=No, Socket=No, Status=None
J4: library part 3M_N2510-6003RB, "Connector 10 Male", Manufacturer=3M, Manufacturer Part Number=N2510-6003RB, Author="CERN DEM JLC", ComponentHeight=10.03mm, Component Type=Standard, CreateDate=15.08.2011, Family="Header 10", HelpURL=\\cern.ch\dfs\Applications\Altium\Datasheets\3M_N2510-6003RB.pdf, LatestRevisionDate=15.08.2011, Mounted=Yes, Part Description="10 Contacts - Straight .100'' x .100'' Low Profile Four-Wall Header(Solder Tail 3.94mm), 2500 Series", Part Number=3M_N2510-6003RB, Pin Count=10, PressFit=No, Sense=No, SMD=No, Socket=No, Status=None
JP1: library part "CON_2x5 1.27 SMT Male", "1.27 mm dual row goldpin (Maritex)", Manufacturer Part Number=PLHTD10S-TR-CV
JP2: library part JUMPER, "Jumper", Manufacturer Part Number=BG030-02-A-0650-0300-N-G, Supplier Part Number 1=1798942, Supplier 1=Farnell
L1 L2 L4: library part IND_10UH_10%_MURATA-PS_8400, "Inductor With Core", Manufacturer="MURATA POWER SOLUTIONS", Manufacturer Part Number=84103C, Power=950mA, Resistance=0.24R, Tolerance=±10%, Author="CERN DEM JLC", ComponentHeight=2.9mm, Component Type=Standard, CreateDate=02.07.2012, HelpURL=\\cern.ch\dfs\Applications\Altium\Datasheets\IND_MURATA-PS_8400.pdf, LatestRevisionDate=02.07.2012, Mounted=Yes, Part Description="Miniature Surface Mount Power Inductor (8400 Serie)", Part Number=IND_10UH_10%_MURATA-PS_8400, Pin Count=2, Sense=No, SMD=Yes, Socket=No, Status=None
L3: library part IND2525_1.5UH_20%_VISHAY_IHLP-2525CZ, "Inductor With Core", Case=2525, Manufacturer="VISHAY DALE", Manufacturer Part Number=IHLP2525CZER6R8M01, Part Number=IND2525_6.8UH_20%_VISHAY_IHLP-2525CZ, Power=9A, Resistance=0.014R, Tolerance=±20%, Author="CERN DEM JLC", Component Type=Standard, ComponentHeight=3mm, CreateDate=24.10.2012, HelpURL=\\cern.ch\dfs\Applications\Altium\Datasheets\IND2525_VISHAY_IHLP-2525CZ.pdf, LatestRevisionDate=24.10.2012, Mounted=Yes, Note="Replace with IHLP2525CZER6R8M01", Part Description="Low Profile, High Current IHLP® Inductor", Pin Count=2, Sense=No, SMD=Yes, Socket=No, Status=None
L5: library part IND_3.3UH_30%_WURTH_WE-TPC_744043003, "Inductor With Core", Manufacturer="WURTH ELEKTRONIK", Manufacturer Part Number=744043003, Power=2.15A, Resistance=0.03R, Tolerance=±30%, Author="CERN DEM JLC", Component Type=Standard, ComponentHeight=3mm, CreateDate=12.07.2011, HelpURL=\\cern.ch\dfs\Applications\Altium\Datasheets\IND_WURTH_WE-TPC_744043003.pdf, LatestRevisionDate=24.01.2012, Mounted=Yes, Part Description="Shielded Tiny Power Inductor (WE-TPC Serie)", Part Number=IND_3.3UH_30%_WURTH_WE-TPC_744043003, Pin Count=2, Sense=No, SMD=Yes, Socket=No